# Altium PCB AIWAC_A33_LVDS07_20181114..PcbDoc (part 14 of 14)
Units mm, origin at the board's own origin, x right, y up, seen from the top; angles counter-clockwise.
Board outline 96.06 x 45 mm, 2 copper layers (Top Layer, Bottom Layer); 78 components, 59 nets, 22856 pads, 712 vias.
Unrouted connection lines stored in the file: 2.
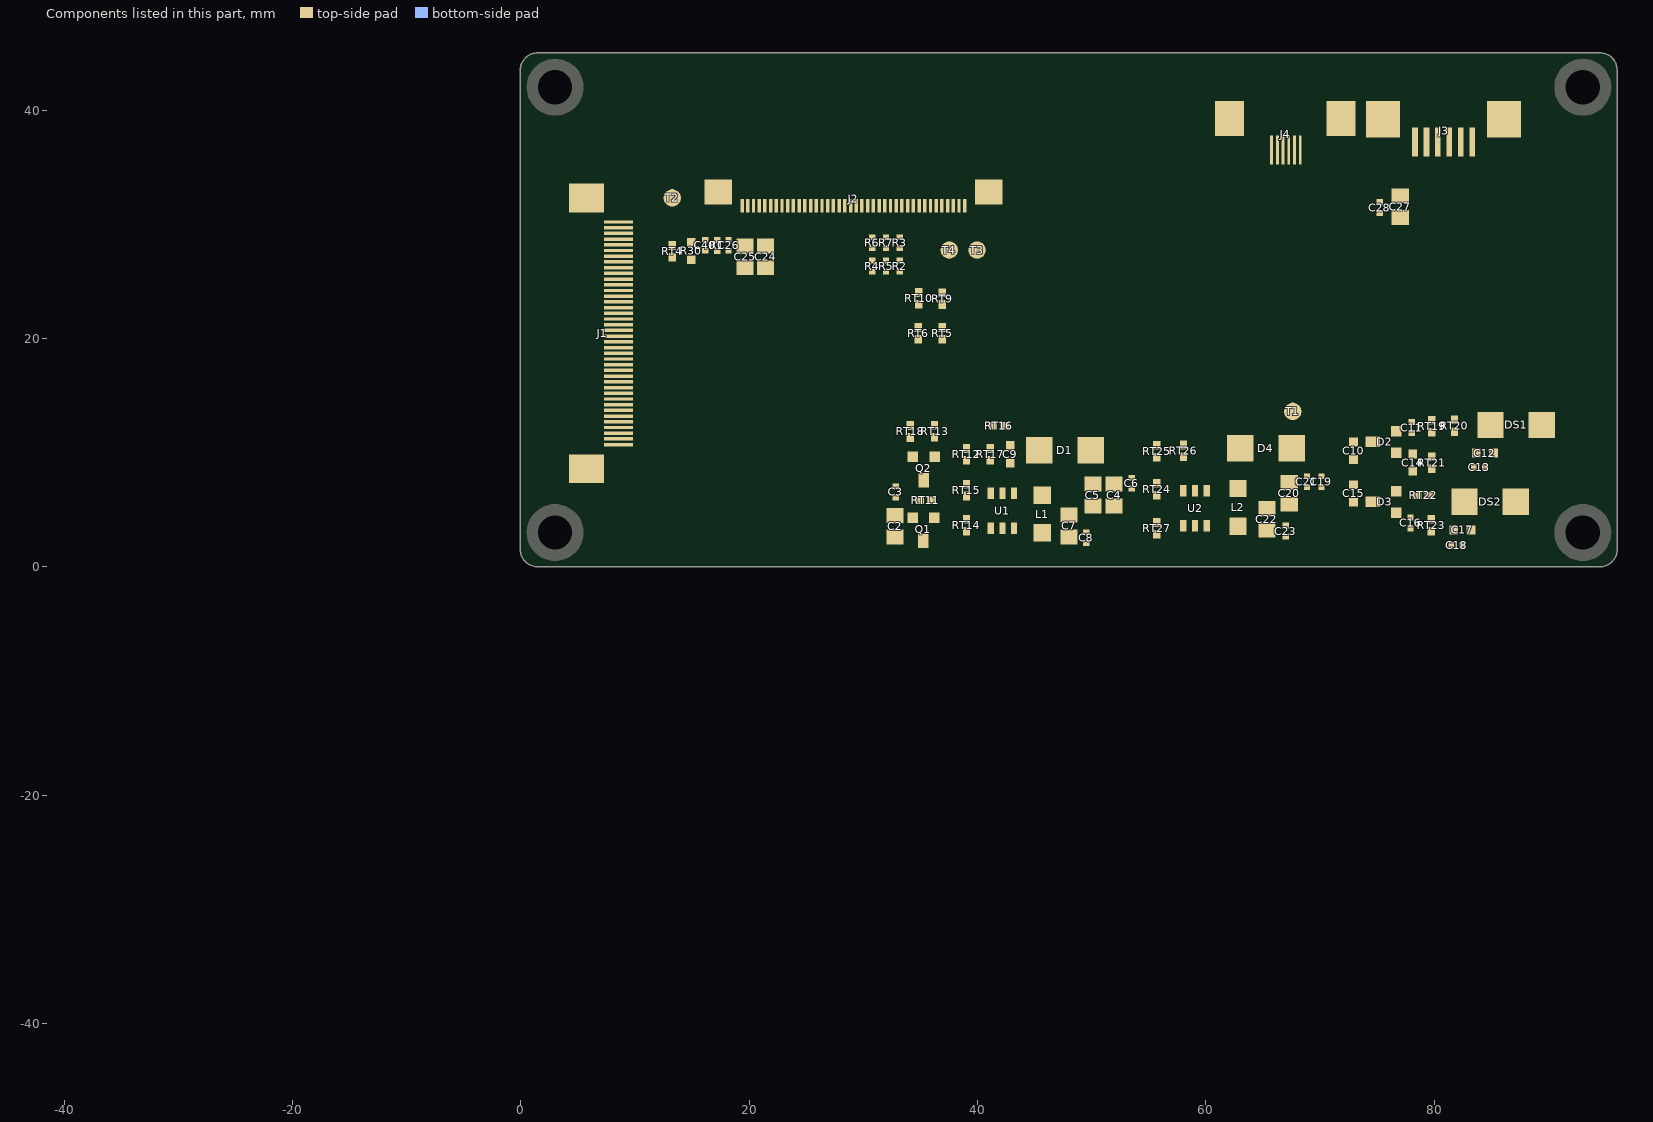
[diagram p14: the components of this part, seen from the top]

## Silkscreen, mask and mechanical layers (free items; w line width, h text height) (continued)
Mechanical 8:
  drawing of 9558 lines, arcs and shapes, not listed
  text "U5" at -39.045,-44.099 h0 r90
  text "U5" at -39.045,-44.099 h0 r90
  text "U5" at -39.045,-44.099 h0 r90
  text "C37" at -39.044,-44.099 h0
  text "C37" at -39.044,-44.099 h0
  text "C37" at -39.044,-44.099 h0
  text "R70" at -39.044,-44.104 h0 r90
  text "R70" at -39.044,-44.104 h0 r90
  text "R70" at -39.044,-44.104 h0 r90
  text "R71" at -39.043,-44.104 h0 r90
  text "R71" at -39.043,-44.104 h0 r90
  text "R71" at -39.043,-44.104 h0 r90
  text "C101" at -39.042,-44.095 h0
  text "C101" at -39.042,-44.095 h0
  text "C101" at -39.042,-44.095 h0
  text "R67" at -39.039,-44.095 h0
  text "R67" at -39.039,-44.095 h0
  text "R67" at -39.039,-44.095 h0
  text "R66" at -39.036,-44.095 h0
  text "R66" at -39.036,-44.095 h0
  text "R66" at -39.036,-44.095 h0
  text "C100" at -39.034,-44.098 h0 r90
  text "C100" at -39.034,-44.098 h0 r90
  text "C100" at -39.034,-44.098 h0 r90
  text "R120" at -39.033,-44.1 h0 r90
  text "R120" at -39.033,-44.1 h0 r90
  text "R120" at -39.033,-44.1 h0 r90
  text "C32" at -39.033,-44.104 h0
  text "C32" at -39.033,-44.104 h0
  text "C32" at -39.033,-44.104 h0
  text "C110" at -39.031,-44.105 h0
  text "C110" at -39.031,-44.105 h0
  text "C110" at -39.031,-44.105 h0
  text "C40" at -39.031,-44.098 h0 r90
  text "C40" at -39.031,-44.098 h0 r90
  text "C40" at -39.031,-44.098 h0 r90
  text "C36" at -39.03,-44.098 h0 r90
  text "C36" at -39.03,-44.098 h0 r90
  text "C36" at -39.03,-44.098 h0 r90
  text "J6" at -39.028,-44.097 h0
  text "J6" at -39.028,-44.097 h0
  text "J6" at -39.028,-44.097 h0
  text "R110" at -39.028,-44.098 h0 r90
  text "R110" at -39.028,-44.098 h0 r90
  text "R110" at -39.028,-44.098 h0 r90
  text "C35" at -39.027,-44.099 h0 r90
  text "C35" at -39.027,-44.099 h0 r90
  text "C35" at -39.027,-44.099 h0 r90
  text "C38" at -39.025,-44.1 h0
  text "C38" at -39.025,-44.1 h0
  text "C38" at -39.025,-44.1 h0
  text "C39" at -39.024,-44.099 h0 r90
  text "C39" at -39.024,-44.099 h0 r90
  text "C39" at -39.024,-44.099 h0 r90
  text "R111" at -39.022,-44.099 h0 r90
  text "R111" at -39.022,-44.099 h0 r90
  text "R111" at -39.022,-44.099 h0 r90
  text "J7" at -39.022,-44.097 h0
  text "J7" at -39.022,-44.097 h0
  text "J7" at -39.022,-44.097 h0
  text "J1" at -39.006,-44.099 h0
  text "J1" at -39.006,-44.099 h0
  text "J1" at -39.006,-44.099 h0
  text "J2" at -39.001,-44.1 h0
  text "J2" at -39.001,-44.1 h0
  text "J2" at -39.001,-44.1 h0
  text "R50" at -38.999,-44.106 h0 r90
  text "R50" at -38.999,-44.106 h0 r90
  text "R50" at -38.999,-44.106 h0 r90
  text "R39" at -38.997,-44.105 h0 r90
  text "R39" at -38.997,-44.105 h0 r90
  text "R39" at -38.997,-44.105 h0 r90
  text "C28" at -38.994,-44.105 h0 r90
  text "C28" at -38.994,-44.105 h0 r90
  text "C28" at -38.994,-44.105 h0 r90
  text "C24" at -38.993,-44.105 h0 r90
  text "C24" at -38.993,-44.105 h0 r90
  text "C24" at -38.993,-44.105 h0 r90
  text "C25" at -38.991,-44.105 h0 r90
  text "C25" at -38.991,-44.105 h0 r90
  text "C25" at -38.991,-44.105 h0 r90
  text "J11" at -38.988,-44.097 h0
  text "J11" at -38.988,-44.097 h0
  text "J11" at -38.988,-44.097 h0
  text "R104" at -38.986,-44.106 h0 r90
  text "R104" at -38.986,-44.106 h0 r90
  text "R104" at -38.986,-44.106 h0 r90
  text "D11" at -38.985,-44.1 h0
  text "D11" at -38.985,-44.1 h0
  text "D11" at -38.985,-44.1 h0
  text "R102" at -38.985,-44.105 h0 r90
  text "R102" at -38.985,-44.105 h0 r90
  text "R102" at -38.985,-44.105 h0 r90
  text "R113" at -38.985,-44.102 h0
  text "R113" at -38.985,-44.102 h0
  text "R113" at -38.985,-44.102 h0
  text "D12" at -38.982,-44.1 h0
  text "D12" at -38.982,-44.1 h0
  text "D12" at -38.982,-44.1 h0
  text "R112" at -38.982,-44.102 h0
  text "R112" at -38.982,-44.102 h0
  text "R112" at -38.982,-44.102 h0
  text "R101" at -38.979,-44.099 h0 r90
  text "R101" at -38.979,-44.099 h0 r90
  text "R101" at -38.979,-44.099 h0 r90
  text "C105" at -38.977,-44.1 h0
  text "C105" at -38.977,-44.1 h0
  text "C105" at -38.977,-44.1 h0
  text "C104" at -38.974,-44.101 h0
  text "C104" at -38.974,-44.101 h0
  text "C104" at -38.974,-44.101 h0
  text "C102" at -38.974,-44.102 h0
  text "C102" at -38.974,-44.102 h0
  text "C102" at -38.974,-44.102 h0
  text "C103" at -38.974,-44.106 h0
  text "C103" at -38.974,-44.106 h0
  text "C103" at -38.974,-44.106 h0
  text "J10" at -39.047,-44.111 h0 r90
  text "J10" at -39.047,-44.111 h0 r90
  text "J10" at -39.047,-44.111 h0 r90
  text "C44" at -39.044,-44.107 h0 r90
  text "C44" at -39.044,-44.107 h0 r90
  text "C44" at -39.044,-44.107 h0 r90
  text "C17" at -39.043,-44.123 h0 r90
  text "C17" at -39.043,-44.123 h0 r90
  text "C17" at -39.043,-44.123 h0 r90
  text "R29" at -39.043,-44.128 h0 r90
  text "R29" at -39.043,-44.128 h0 r90
  text "R29" at -39.043,-44.128 h0 r90
  text "D7" at -39.042,-44.115 h0 r90
  text "D7" at -39.042,-44.115 h0 r90
  text "D7" at -39.042,-44.115 h0 r90
  text "D6" at -39.042,-44.12 h0 r90
  text "D6" at -39.042,-44.12 h0 r90
  text "D6" at -39.042,-44.12 h0 r90
  text "C42" at -39.042,-44.107 h0 r90
  text "C42" at -39.042,-44.107 h0 r90
  text "C42" at -39.042,-44.107 h0 r90
  text "C13" at -39.042,-44.128 h0 r90
  text "C13" at -39.042,-44.128 h0 r90
  text "C13" at -39.042,-44.128 h0 r90
  text "R40" at -39.041,-44.123 h0 r90
  text "R40" at -39.041,-44.123 h0 r90
  text "R40" at -39.041,-44.123 h0 r90
  text "L3" at -39.04,-44.107 h0
  text "L3" at -39.04,-44.107 h0
  text "L3" at -39.04,-44.107 h0
  text "R43" at -39.04,-44.123 h0 r90
  text "R43" at -39.04,-44.123 h0 r90
  text "R43" at -39.04,-44.123 h0 r90
  text "C29" at -39.039,-44.122 h0
  text "C29" at -39.039,-44.122 h0
  text "C29" at -39.039,-44.122 h0
  text "R47" at -39.039,-44.123 h0 r90
  text "R47" at -39.039,-44.123 h0 r90
  text "R47" at -39.039,-44.123 h0 r90
  text "U2" at -39.037,-44.128 h0 r270
  text "U2" at -39.037,-44.128 h0 r270
  text "U2" at -39.037,-44.128 h0 r270
  text "C14" at -39.037,-44.123 h0 r90
  text "C14" at -39.037,-44.123 h0 r90
  text "C14" at -39.037,-44.123 h0 r90
  text "L4" at -39.037,-44.107 h0
  text "L4" at -39.037,-44.107 h0
  text "L4" at -39.037,-44.107 h0
  text "RT1" at -39.037,-44.115 h0 r90
  text "RT1" at -39.037,-44.115 h0 r90
  text "RT1" at -39.037,-44.115 h0 r90
  text "C18" at -39.036,-44.123 h0 r90
  text "C18" at -39.036,-44.123 h0 r90
  text "C18" at -39.036,-44.123 h0 r90
  text "C43" at -39.036,-44.109 h0
  text "C43" at -39.036,-44.109 h0
  text "C43" at -39.036,-44.109 h0
  text "R41" at -39.035,-44.123 h0 r90
  text "R41" at -39.035,-44.123 h0 r90
  text "R41" at -39.035,-44.123 h0 r90
  text "C50" at -39.035,-44.114 h0 r90
  text "C50" at -39.035,-44.114 h0 r90
  text "C50" at -39.035,-44.114 h0 r90
  text "R76" at -39.034,-44.114 h0 r90
  text "R92" at -39.034,-44.113 h0
  text "R76" at -39.034,-44.114 h0 r90
  text "R92" at -39.034,-44.113 h0
  text "R92" at -39.034,-44.113 h0
  text "R76" at -39.034,-44.114 h0 r90
  text "C23" at -39.034,-44.114 h0
  text "C23" at -39.034,-44.114 h0
  text "C23" at -39.034,-44.114 h0
  text "D5" at -39.032,-44.124 h0
  text "D5" at -39.032,-44.124 h0
  text "D5" at -39.032,-44.124 h0
  text "R83" at -39.032,-44.114 h0 r90
  text "R83" at -39.032,-44.114 h0 r90
  text "R83" at -39.032,-44.114 h0 r90
  text "C33" at -39.031,-44.107 h0
  text "C33" at -39.031,-44.107 h0
  text "C33" at -39.031,-44.107 h0
  text "R31" at -39.03,-44.126 h0 r90
  text "R44" at -39.03,-44.131 h0 r90
  text "R31" at -39.03,-44.126 h0 r90
  text "R44" at -39.03,-44.131 h0 r90
  text "R44" at -39.03,-44.131 h0 r90
  text "R31" at -39.03,-44.126 h0 r90
  text "R32" at -39.03,-44.129 h0 r90
  text "R32" at -39.03,-44.129 h0 r90
  text "R32" at -39.03,-44.129 h0 r90
  text "R48" at -39.03,-44.131 h0 r90
  text "R48" at -39.03,-44.131 h0 r90
  text "R48" at -39.03,-44.131 h0 r90
  text "R37" at -39.03,-44.126 h0 r90
  text "R37" at -39.03,-44.126 h0 r90
  text "R37" at -39.03,-44.126 h0 r90
  text "R38" at -39.029,-44.129 h0 r90
  text "R38" at -39.029,-44.129 h0 r90
  text "R38" at -39.029,-44.129 h0 r90
  text "D4" at -39.029,-44.124 h0
  text "D4" at -39.029,-44.124 h0
  text "D4" at -39.029,-44.124 h0
  text "D21" at -39.028,-44.11 h0
  text "D21" at -39.028,-44.11 h0
  text "D21" at -39.028,-44.11 h0
  text "R7" at -39.027,-44.125 h0
  text "R13" at -39.027,-44.124 h0
  text "R14" at -39.027,-44.125 h0
  text "R7" at -39.027,-44.125 h0
  text "R13" at -39.027,-44.124 h0
  text "R14" at -39.027,-44.125 h0
  text "R14" at -39.027,-44.125 h0
  text "R13" at -39.027,-44.124 h0
  text "R7" at -39.027,-44.125 h0
  text "R8" at -39.027,-44.126 h0
  text "R16" at -39.027,-44.127 h0
  text "R8" at -39.027,-44.126 h0
  text "R16" at -39.027,-44.127 h0
  text "R16" at -39.027,-44.127 h0
  text "R8" at -39.027,-44.126 h0
  text "D22" at -39.025,-44.11 h0
  text "D22" at -39.025,-44.11 h0
  text "D22" at -39.025,-44.11 h0
  text "D2" at -39.023,-44.124 h0
  text "D2" at -39.023,-44.124 h0
  text "D2" at -39.023,-44.124 h0
  text "R19" at -39.023,-44.127 h0
  text "R24" at -39.023,-44.126 h0
  text "R19" at -39.023,-44.127 h0
  text "R24" at -39.023,-44.126 h0
  text "R24" at -39.023,-44.126 h0
  text "R19" at -39.023,-44.127 h0
  text "R20" at -39.023,-44.128 h0
  text "R22" at -39.023,-44.127 h0
  text "R20" at -39.023,-44.128 h0
  text "R22" at -39.023,-44.127 h0
  text "R22" at -39.023,-44.127 h0
  text "R20" at -39.023,-44.128 h0
  text "R23" at -39.02,-44.128 h0
  text "R23" at -39.02,-44.128 h0
  text "R23" at -39.02,-44.128 h0
  text "R18" at -39.017,-44.129 h0
  text "R21" at -39.017,-44.129 h0
  text "R18" at -39.017,-44.129 h0
  text "R21" at -39.017,-44.129 h0
  text "R21" at -39.017,-44.129 h0
  text "R18" at -39.017,-44.129 h0
  text "R17" at -39.017,-44.13 h0
  text "R17" at -39.017,-44.13 h0
  text "R17" at -39.017,-44.13 h0
  text "R3" at -39.016,-44.131 h0
  text "R3" at -39.016,-44.131 h0
  text "R3" at -39.016,-44.131 h0
  text "R9" at -39.016,-44.13 h0
  text "R9" at -39.016,-44.13 h0
  text "R9" at -39.016,-44.13 h0
  text "D1" at -39.012,-44.11 h0 r90
  text "D1" at -39.012,-44.11 h0 r90
  text "D1" at -39.012,-44.11 h0 r90
  text "R10" at -39.011,-44.132 h0
  text "R10" at -39.011,-44.132 h0
  text "R10" at -39.011,-44.132 h0
  text "R55" at -39.005,-44.116 h0 r90
  text "R55" at -39.005,-44.116 h0 r90
  text "R55" at -39.005,-44.116 h0 r90
  text "R54" at -39.005,-44.113 h0 r90
  text "R56" at -39.005,-44.12 h0 r90
  text "R54" at -39.005,-44.113 h0 r90
  text "R56" at -39.005,-44.12 h0 r90
  text "R56" at -39.005,-44.12 h0 r90
  text "R54" at -39.005,-44.113 h0 r90
  text "R53" at -39.004,-44.122 h0 r90
  text "R53" at -39.004,-44.122 h0 r90
  text "R53" at -39.004,-44.122 h0 r90
  text "L2" at -39.002,-44.131 h0
  text "L2" at -39.002,-44.131 h0
  text "L2" at -39.002,-44.131 h0
  text "C31" at -39.001,-44.111 h0 r90
  text "C31" at -39.001,-44.111 h0 r90
  text "C31" at -39.001,-44.111 h0 r90
  text "C55" at -39,-44.128 h0 r90
  text "C55" at -39,-44.128 h0 r90
  text "C55" at -39,-44.128 h0 r90
  text "C30" at -39,-44.111 h0 r90
  text "C30" at -39,-44.111 h0 r90
  text "C30" at -39,-44.111 h0 r90
  text "C56" at -38.999,-44.128 h0 r90
  text "C56" at -38.999,-44.128 h0 r90
  text "C56" at -38.999,-44.128 h0 r90
  text "U3" at -38.999,-44.126 h0 r90
  text "U3" at -38.999,-44.126 h0 r90
  text "U3" at -38.999,-44.126 h0 r90
  text "R79" at -38.999,-44.128 h0 r90
  text "R79" at -38.999,-44.128 h0 r90
  text "R79" at -38.999,-44.128 h0 r90
  text "R52" at -38.999,-44.111 h0 r90
  text "R52" at -38.999,-44.111 h0 r90
  text "R52" at -38.999,-44.111 h0 r90
  text "R80" at -38.998,-44.128 h0 r90
  text "R80" at -38.998,-44.128 h0 r90
  text "R80" at -38.998,-44.128 h0 r90
  text "D3" at -38.997,-44.111 h0 r90
  text "D3" at -38.997,-44.111 h0 r90
  text "D3" at -38.997,-44.111 h0 r90
  text "C22" at -38.996,-44.111 h0 r90
  text "C22" at -38.996,-44.111 h0 r90
  text "C22" at -38.996,-44.111 h0 r90
  text "R58" at -38.994,-44.111 h0 r90
  text "R58" at -38.994,-44.111 h0 r90
  text "R58" at -38.994,-44.111 h0 r90
  text "R59" at -38.993,-44.111 h0 r90
  text "R59" at -38.993,-44.111 h0 r90
  text "R59" at -38.993,-44.111 h0 r90
  text "C27" at -38.992,-44.111 h0 r90
  text "C27" at -38.992,-44.111 h0 r90
  text "C27" at -38.992,-44.111 h0 r90
  text "C21" at -38.99,-44.111 h0 r90
  text "C21" at -38.99,-44.111 h0 r90
  text "C21" at -38.99,-44.111 h0 r90
  text "C26" at -38.986,-44.115 h0 r90
  text "R60" at -38.986,-44.119 h0 r90
  text "C26" at -38.986,-44.115 h0 r90
  text "R60" at -38.986,-44.119 h0 r90
  text "R60" at -38.986,-44.119 h0 r90
  text "C26" at -38.986,-44.115 h0 r90
  text "R57" at -38.986,-44.117 h0 r90
  text "R57" at -38.986,-44.117 h0 r90
  text "R57" at -38.986,-44.117 h0 r90
  text "R103" at -38.985,-44.108 h0 r90
  text "R103" at -38.985,-44.108 h0 r90
  text "R103" at -38.985,-44.108 h0 r90
  text "R61" at -38.985,-44.115 h0 r90
  text "R61" at -38.985,-44.115 h0 r90
  text "R61" at -38.985,-44.115 h0 r90
  text "R75" at -38.985,-44.128 h0 r90
  text "R75" at -38.985,-44.128 h0 r90
  text "R75" at -38.985,-44.128 h0 r90
  text "R63" at -38.984,-44.128 h0 r90
  text "R63" at -38.984,-44.128 h0 r90
  text "R63" at -38.984,-44.128 h0 r90
  text "R51" at -38.984,-44.115 h0
  text "R51" at -38.984,-44.115 h0
  text "R51" at -38.984,-44.115 h0
  text "C34" at -38.984,-44.116 h0 r90
  text "C34" at -38.984,-44.116 h0 r90
  text "C34" at -38.984,-44.116 h0 r90
  text "R62" at -38.984,-44.119 h0 r90
  text "R62" at -38.984,-44.119 h0 r90
  text "R62" at -38.984,-44.119 h0 r90
  text "R64" at -38.984,-44.128 h0 r90
  text "R64" at -38.984,-44.128 h0 r90
  text "R64" at -38.984,-44.128 h0 r90
  text "Y1" at -38.983,-44.116 h0
  text "Y1" at -38.983,-44.116 h0
  text "Y1" at -38.983,-44.116 h0
  text "U4" at -38.983,-44.119 h0 r90
  text "U4" at -38.983,-44.119 h0 r90
  text "U4" at -38.983,-44.119 h0 r90
  text "R30" at -38.983,-44.115 h0
  text "R30" at -38.983,-44.115 h0
  text "R30" at -38.983,-44.115 h0
  text "C45" at -38.982,-44.116 h0 r90
  text "C45" at -38.982,-44.116 h0 r90
  text "C45" at -38.982,-44.116 h0 r90
  text "R65" at -38.982,-44.119 h0 r90
  text "R65" at -38.982,-44.119 h0 r90
  text "R65" at -38.982,-44.119 h0 r90
  text "U10" at -38.98,-44.111 h0 r270
  text "U10" at -38.98,-44.111 h0 r270
  text "U10" at -38.98,-44.111 h0 r270
  text "L1" at -38.974,-44.109 h0 r90
  text "L1" at -38.974,-44.109 h0 r90
  text "L1" at -38.974,-44.109 h0 r90
  text "J8" at -39.048,-44.138 h0 r90
  text "J8" at -39.048,-44.138 h0 r90
  text "J8" at -39.048,-44.138 h0 r90
  text "S1" at -39.047,-44.134 h0 r90
  text "S1" at -39.047,-44.134 h0 r90
  text "S1" at -39.047,-44.134 h0 r90
  text "C41" at -39.047,-44.14 h0 r90
  text "C41" at -39.047,-44.14 h0 r90
  text "C41" at -39.047,-44.14 h0 r90
  text "R35" at -39.044,-44.135 h0 r90
  text "R35" at -39.044,-44.135 h0 r90
  text "R35" at -39.044,-44.135 h0 r90
  text "R49" at -39.043,-44.135 h0 r90
  text "R49" at -39.043,-44.135 h0 r90
  text "R49" at -39.043,-44.135 h0 r90
  text "C20" at -39.043,-44.132 h0 r90
  text "C20" at -39.043,-44.132 h0 r90
  text "C20" at -39.043,-44.132 h0 r90
  text "C11" at -39.042,-44.142 h0 r90
  text "C11" at -39.042,-44.142 h0 r90
  text "C11" at -39.042,-44.142 h0 r90
  text "R46" at -39.042,-44.134 h0
  text "R46" at -39.042,-44.134 h0
  text "R46" at -39.042,-44.134 h0
  text "C19" at -39.042,-44.132 h0 r90
  text "C19" at -39.042,-44.132 h0 r90
  text "C19" at -39.042,-44.132 h0 r90
  text "R25" at -39.041,-44.142 h0 r90
  text "R25" at -39.041,-44.142 h0 r90
  text "R25" at -39.041,-44.142 h0 r90
  text "R36" at -39.04,-44.142 h0 r90
  text "R36" at -39.04,-44.142 h0 r90
  text "R36" at -39.04,-44.142 h0 r90
  text "C16" at -39.038,-44.141 h0 r90
  text "C16" at -39.038,-44.141 h0 r90
  text "C16" at -39.038,-44.141 h0 r90
  text "C15" at -39.038,-44.137 h0 r90
  text "C15" at -39.038,-44.137 h0 r90
  text "C15" at -39.038,-44.137 h0 r90
  text "C12" at -39.037,-44.141 h0 r90
  text "C12" at -39.037,-44.141 h0 r90
  text "C12" at -39.037,-44.141 h0 r90
  text "R26" at -39.036,-44.141 h0 r90
  text "R26" at -39.036,-44.141 h0 r90
  text "R26" at -39.036,-44.141 h0 r90
  text "R28" at -39.034,-44.141 h0 r90
  text "R28" at -39.034,-44.141 h0 r90
  text "R28" at -39.034,-44.141 h0 r90
  text "R34" at -39.033,-44.141 h0 r90
  text "R34" at -39.033,-44.141 h0 r90
  text "R34" at -39.033,-44.141 h0 r90
  text "R42" at -39.032,-44.143 h0 r90
  text "R42" at -39.032,-44.143 h0 r90
  text "R42" at -39.032,-44.143 h0 r90
  text "R45" at -39.031,-44.143 h0 r90
  text "R45" at -39.031,-44.143 h0 r90
  text "R45" at -39.031,-44.143 h0 r90
  text "R27" at -39.031,-44.141 h0 r90
  text "R27" at -39.031,-44.141 h0 r90
  text "R27" at -39.031,-44.141 h0 r90
  text "R33" at -39.031,-44.143 h0 r90
  text "R33" at -39.031,-44.143 h0 r90
  text "R33" at -39.031,-44.143 h0 r90
  text "J4" at -39.029,-44.146 h0
  text "J4" at -39.029,-44.146 h0
  text "J4" at -39.029,-44.146 h0
  text "R6" at -39.029,-44.137 h0
  text "R6" at -39.029,-44.137 h0
  text "R6" at -39.029,-44.137 h0
  text "C7" at -39.029,-44.14 h0
  text "R15" at -39.029,-44.139 h0
  text "C7" at -39.029,-44.14 h0
  text "R15" at -39.029,-44.139 h0
  text "R15" at -39.029,-44.139 h0
  text "C7" at -39.029,-44.14 h0
  text "C8" at -39.028,-44.135 h0
  text "C8" at -39.028,-44.135 h0
  text "C8" at -39.028,-44.135 h0
  text "C4" at -39.028,-44.136 h0
  text "C4" at -39.028,-44.136 h0
  text "C4" at -39.028,-44.136 h0
  text "U1" at -39.025,-44.137 h0
  text "U1" at -39.025,-44.137 h0
  text "U1" at -39.025,-44.137 h0
  text "C3" at -39.024,-44.142 h0
  text "R5" at -39.024,-44.143 h0
  text "C3" at -39.024,-44.142 h0
  text "R5" at -39.024,-44.143 h0
  text "R5" at -39.024,-44.143 h0
  text "C3" at -39.024,-44.142 h0
  text "C5" at -39.02,-44.142 h0
  text "C5" at -39.02,-44.142 h0
  text "C5" at -39.02,-44.142 h0
  text "R11" at -39.02,-44.143 h0
  text "R11" at -39.02,-44.143 h0
  text "R11" at -39.02,-44.143 h0
  text "C1" at -39.018,-44.142 h0
  text "R1" at -39.018,-44.143 h0
  text "C1" at -39.018,-44.142 h0
  text "R1" at -39.018,-44.143 h0
  text "R1" at -39.018,-44.143 h0
  text "C1" at -39.018,-44.142 h0
  text "R69" at -39.017,-44.143 h0 r90
  text "R69" at -39.017,-44.143 h0 r90
  text "R69" at -39.017,-44.143 h0 r90
  text "J3" at -39.017,-44.146 h0
  text "J3" at -39.017,-44.146 h0
  text "J3" at -39.017,-44.146 h0
  text "R68" at -39.014,-44.143 h0 r90
  text "R68" at -39.014,-44.143 h0 r90
  text "R68" at -39.014,-44.143 h0 r90
  text "C9" at -39.012,-44.136 h0
  text "C9" at -39.012,-44.136 h0
  text "C9" at -39.012,-44.136 h0
  text "C2" at -39.012,-44.139 h0
  text "C2" at -39.012,-44.139 h0
  text "C2" at -39.012,-44.139 h0
  text "C6" at -39.012,-44.14 h0
  text "C6" at -39.012,-44.14 h0
  text "C6" at -39.012,-44.14 h0
  text "R2" at -39.012,-44.138 h0
  text "R2" at -39.012,-44.138 h0
  text "R2" at -39.012,-44.138 h0
  text "R12" at -39.011,-44.141 h0
  text "R12" at -39.011,-44.141 h0
  text "R12" at -39.011,-44.141 h0
  text "R4" at -39.011,-44.134 h0
  text "R4" at -39.011,-44.134 h0
  text "R4" at -39.011,-44.134 h0
  text "C10" at -39.011,-44.135 h0
  text "C10" at -39.011,-44.135 h0
  text "C10" at -39.011,-44.135 h0
  text "J9" at -39.002,-44.146 h0
  text "J9" at -39.002,-44.146 h0
  text "J9" at -39.002,-44.146 h0
  text "R82" at -39.001,-44.143 h0
  text "R84" at -39.001,-44.136 h0
  text "R87" at -39.001,-44.141 h0
  text "R88" at -39.001,-44.139 h0
  text "R89" at -39.001,-44.137 h0
  text "R90" at -39.001,-44.135 h0
  text "R91" at -39.001,-44.133 h0
  text "R82" at -39.001,-44.143 h0
  text "R84" at -39.001,-44.136 h0
  text "R87" at -39.001,-44.141 h0
  text "R88" at -39.001,-44.139 h0
  text "R89" at -39.001,-44.137 h0
  text "R90" at -39.001,-44.135 h0
  text "R91" at -39.001,-44.133 h0
  text "R91" at -39.001,-44.133 h0
  text "R90" at -39.001,-44.135 h0
  text "R89" at -39.001,-44.137 h0
  text "R88" at -39.001,-44.139 h0
  text "R87" at -39.001,-44.141 h0
  text "R84" at -39.001,-44.136 h0
  text "R82" at -39.001,-44.143 h0
  text "C57" at -38.995,-44.147 h0 r90
  text "C57" at -38.995,-44.147 h0 r90
  text "C57" at -38.995,-44.147 h0 r90
  text "C51" at -38.994,-44.147 h0 r90
  text "C51" at -38.994,-44.147 h0 r90
  text "C51" at -38.994,-44.147 h0 r90
  text "R77" at -38.991,-44.147 h0 r90
  text "R77" at -38.991,-44.147 h0 r90
  text "R77" at -38.991,-44.147 h0 r90
  text "C47" at -38.988,-44.148 h0 r90
  text "C47" at -38.988,-44.148 h0 r90
  text "C47" at -38.988,-44.148 h0 r90
  text "C48" at -38.987,-44.147 h0
  text "C48" at -38.987,-44.147 h0
  text "C48" at -38.987,-44.147 h0
  text "C49" at -38.987,-44.148 h0 r90
  text "C49" at -38.987,-44.148 h0 r90
  text "C49" at -38.987,-44.148 h0 r90
  text "U7" at -38.982,-44.136 h0
  text "U7" at -38.982,-44.136 h0
  text "U7" at -38.982,-44.136 h0
  text "R74" at -38.981,-44.132 h0 r90
  text "R74" at -38.981,-44.132 h0 r90
  text "R74" at -38.981,-44.132 h0 r90
  text "R72" at -38.979,-44.138 h0
  text "R73" at -38.979,-44.141 h0
  text "R72" at -38.979,-44.138 h0
  text "R73" at -38.979,-44.141 h0
  text "R73" at -38.979,-44.141 h0
  text "R72" at -38.979,-44.138 h0
  text "ANT1" at -38.978,-44.144 h0
  text "ANT1" at -38.978,-44.144 h0
  text "ANT1" at -38.978,-44.144 h0
Mechanical 9:
  lines w0: -39.05,-44.15 ccw(c-39.049,-44.15) -39.049,-44.151 ; -39.05,-44.15 ccw(c-39.049,-44.15) -39.049,-44.151 ; -39.05,-44.15 ccw(c-39.049,-44.15) -39.049,-44.151 ; -39.049,-44.151 -38.974,-44.151 ; -39.05,-44.15 -39.05,-44.096 ; -39.049,-44.151 -38.974,-44.151 ; -39.05,-44.15 -39.05,-44.096 ; -39.05,-44.15 -39.05,-44.096 ; -39.049,-44.151 -38.974,-44.151 ; -39.05,-44.097 -39.05,-44.095 ; -39.05,-44.097 -39.05,-44.095 ; -39.05,-44.097 -39.05,-44.095 ; -39.05,-44.095 -39.05,-44.094 ; -39.05,-44.095 -39.05,-44.094 ; -39.05,-44.095 -39.05,-44.094 ; -39.05,-44.094 cw(c-39.05,-44.094) -39.05,-44.093 ; -39.05,-44.094 cw(c-39.05,-44.094) -39.05,-44.093 ; -39.05,-44.094 cw(c-39.05,-44.094) -39.05,-44.093 ; -39.05,-44.093 -38.975,-44.093 ; -39.05,-44.093 -38.975,-44.093 ; -39.05,-44.093 -38.975,-44.093 ; -39.021,-44.127 -39.021,-44.114 ; -39.021,-44.127 -39.006,-44.127 ; -39.021,-44.127 -39.021,-44.114 ; -39.021,-44.127 -39.006,-44.127 ; -39.021,-44.127 -39.006,-44.127 ; -39.021,-44.127 -39.021,-44.114 ; -39.021,-44.114 -39.006,-44.114 ; -39.021,-44.114 -39.006,-44.114 ; -39.021,-44.114 -39.006,-44.114 ; -39.006,-44.127 -39.006,-44.114 ; -39.006,-44.127 -39.006,-44.114 ; -39.006,-44.127 -39.006,-44.114 ; -38.975,-44.151 ccw(c-38.975,-44.15) -38.973,-44.15 ; -38.975,-44.151 ccw(c-38.975,-44.15) -38.973,-44.15 ; -38.975,-44.151 ccw(c-38.975,-44.15) -38.973,-44.15 ; -38.975,-44.093 ccw(c-38.975,-44.093) -38.975,-44.093 ; -38.975,-44.093 ccw(c-38.975,-44.093) -38.975,-44.093 ; -38.975,-44.093 cw(c-38.975,-44.094) -38.973,-44.094 ; -38.975,-44.093 ccw(c-38.975,-44.093) -38.975,-44.093 ; -38.975,-44.093 ccw(c-38.975,-44.093) -38.975,-44.093 ; -38.975,-44.093 ccw(c-38.975,-44.093) -38.975,-44.093 ; -38.975,-44.093 ccw(c-38.975,-44.093) -38.975,-44.093 ; -38.975,-44.093 cw(c-38.975,-44.094) -38.973,-44.094 ; -38.975,-44.093 ccw(c-38.975,-44.093) -38.975,-44.093 ; -38.975,-44.093 ccw(c-38.975,-44.093) -38.975,-44.093 ; -38.975,-44.093 ccw(c-38.975,-44.093) -38.975,-44.093 ; -38.975,-44.093 ccw(c-38.975,-44.093) -38.975,-44.093 ; -38.975,-44.093 cw(c-38.975,-44.094) -38.973,-44.094 ; -38.975,-44.093 ccw(c-38.975,-44.093) -38.975,-44.093 ; -38.975,-44.093 ccw(c-38.975,-44.093) -38.975,-44.093 ; -38.973,-44.15 -38.973,-44.097 ; -38.973,-44.15 -38.973,-44.097 ; -38.973,-44.15 -38.973,-44.097 ; -38.973,-44.097 -38.973,-44.095 ; -38.973,-44.097 -38.973,-44.095 ; -38.973,-44.097 -38.973,-44.095 ; -38.973,-44.095 -38.973,-44.094 ; -38.973,-44.095 -38.973,-44.094 ; -38.973,-44.095 -38.973,-44.094
Mechanical 10:
  drawing of 201 lines, arcs and shapes, not listed
Mechanical 11:
  drawing of 498 lines, arcs and shapes, not listed
  text "M1" at -39.043,-44.145 h0
  text "M1" at -39.043,-44.145 h0
  text "M1" at -39.043,-44.145 h0
Mechanical 12:
  drawing of 372 lines, arcs and shapes, not listed
Mechanical 13:
  drawing of 1761 lines, arcs and shapes, not listed
Mechanical 14:
  drawing of 459 lines, arcs and shapes, not listed
Mechanical 15:
  drawing of 1848 lines, arcs and shapes, not listed
Mechanical 16:
  lines w0: -39.049,-44.11 ccw(c-39.049,-44.11) -39.048,-44.11 ; -39.049,-44.11 ccw(c-39.049,-44.11) -39.048,-44.11 ; -39.049,-44.11 ccw(c-39.049,-44.11) -39.048,-44.11 ; -39.048,-44.11 -39.048,-44.109 ; -39.049,-44.11 -39.049,-44.109 ; -39.048,-44.11 -39.048,-44.109 ; -39.049,-44.11 -39.049,-44.109 ; -39.049,-44.11 -39.049,-44.109 ; -39.048,-44.11 -39.048,-44.109 ; -39.048,-44.109 ccw(c-39.049,-44.109) -39.049,-44.109 ; -39.048,-44.109 ccw(c-39.049,-44.109) -39.049,-44.109 ; -39.048,-44.109 ccw(c-39.049,-44.109) -39.049,-44.109 ; -39.049,-44.105 ccw(c-39.049,-44.105) -39.048,-44.105 ; -39.049,-44.105 ccw(c-39.049,-44.105) -39.048,-44.105 ; -39.049,-44.105 ccw(c-39.049,-44.105) -39.048,-44.105 ; -39.048,-44.105 -39.048,-44.103 ; -39.049,-44.105 -39.049,-44.103 ; -39.048,-44.105 -39.048,-44.103 ; -39.049,-44.105 -39.049,-44.103 ; -39.049,-44.105 -39.049,-44.103 ; -39.048,-44.105 -39.048,-44.103 ; -39.048,-44.103 ccw(c-39.049,-44.103) -39.049,-44.103 ; -39.048,-44.103 ccw(c-39.049,-44.103) -39.049,-44.103 ; -39.048,-44.103 ccw(c-39.049,-44.103) -39.049,-44.103 ; -38.987,-44.094 ccw(c-38.987,-44.094) -38.987,-44.094 ; -38.987,-44.095 ccw(c-38.987,-44.095) -38.987,-44.095 ; -38.987,-44.094 ccw(c-38.987,-44.094) -38.987,-44.094 ; -38.987,-44.095 ccw(c-38.987,-44.095) -38.987,-44.095 ; -38.987,-44.095 ccw(c-38.987,-44.095) -38.987,-44.095 ; -38.987,-44.094 ccw(c-38.987,-44.094) -38.987,-44.094 ; -38.987,-44.095 -38.987,-44.094 ; -38.987,-44.095 -38.987,-44.094 ; -38.987,-44.095 -38.987,-44.094 ; -38.987,-44.095 -38.987,-44.094 ; -38.987,-44.095 -38.987,-44.094 ; -38.987,-44.095 -38.987,-44.094 ; -38.981,-44.094 ccw(c-38.981,-44.094) -38.981,-44.094 ; -38.981,-44.096 ccw(c-38.981,-44.096) -38.981,-44.096 ; -38.981,-44.094 ccw(c-38.981,-44.094) -38.981,-44.094 ; -38.981,-44.096 ccw(c-38.981,-44.096) -38.981,-44.096 ; -38.981,-44.096 ccw(c-38.981,-44.096) -38.981,-44.096 ; -38.981,-44.094 ccw(c-38.981,-44.094) -38.981,-44.094 ; -38.981,-44.096 -38.981,-44.094 ; -38.981,-44.096 -38.981,-44.094 ; -38.981,-44.096 -38.981,-44.094 ; -38.981,-44.096 -38.981,-44.094 ; -38.981,-44.096 -38.981,-44.094 ; -38.981,-44.096 -38.981,-44.094
  lines w0.001: -39.045,-44.133 cw(c-39.045,-44.133) -39.045,-44.132 ; -39.045,-44.133 ccw(c-39.045,-44.133) -39.045,-44.132 ; -39.045,-44.133 cw(c-39.045,-44.133) -39.045,-44.132 ; -39.045,-44.133 ccw(c-39.045,-44.133) -39.045,-44.132 ; -39.045,-44.133 ccw(c-39.045,-44.133) -39.045,-44.132 ; -39.045,-44.133 cw(c-39.045,-44.133) -39.045,-44.132 ; -39.045,-44.125 ccw(c-39.045,-44.125) -39.045,-44.126 ; -39.045,-44.126 ccw(c-39.045,-44.125) -39.045,-44.125 ; -39.045,-44.125 ccw(c-39.045,-44.125) -39.045,-44.126 ; -39.045,-44.126 ccw(c-39.045,-44.125) -39.045,-44.125 ; -39.045,-44.126 ccw(c-39.045,-44.125) -39.045,-44.125 ; -39.045,-44.125 ccw(c-39.045,-44.125) -39.045,-44.126
  lines w0.002: -39.048,-44.148 cw(c-39.047,-44.148) -39.047,-44.148 ; -39.048,-44.148 ccw(c-39.047,-44.148) -39.047,-44.148 ; -39.048,-44.148 cw(c-39.047,-44.148) -39.047,-44.148 ; -39.048,-44.148 ccw(c-39.047,-44.148) -39.047,-44.148 ; -39.048,-44.148 ccw(c-39.047,-44.148) -39.047,-44.148 ; -39.048,-44.148 cw(c-39.047,-44.148) -39.047,-44.148 ; -39.048,-44.096 cw(c-39.047,-44.096) -39.047,-44.096 ; -39.048,-44.096 ccw(c-39.047,-44.096) -39.047,-44.096 ; -39.048,-44.096 cw(c-39.047,-44.096) -39.047,-44.096 ; -39.048,-44.096 ccw(c-39.047,-44.096) -39.047,-44.096 ; -39.048,-44.096 ccw(c-39.047,-44.096) -39.047,-44.096 ; -39.048,-44.096 cw(c-39.047,-44.096) -39.047,-44.096 ; -38.977,-44.148 cw(c-38.976,-44.148) -38.976,-44.148 ; -38.977,-44.148 ccw(c-38.976,-44.148) -38.976,-44.148 ; -38.977,-44.148 cw(c-38.976,-44.148) -38.976,-44.148 ; -38.977,-44.148 ccw(c-38.976,-44.148) -38.976,-44.148 ; -38.977,-44.148 ccw(c-38.976,-44.148) -38.976,-44.148 ; -38.977,-44.148 cw(c-38.976,-44.148) -38.976,-44.148 ; -38.977,-44.096 cw(c-38.976,-44.096) -38.976,-44.096 ; -38.977,-44.096 ccw(c-38.976,-44.096) -38.976,-44.096 ; -38.977,-44.096 cw(c-38.976,-44.096) -38.976,-44.096 ; -38.977,-44.096 ccw(c-38.976,-44.096) -38.976,-44.096 ; -38.977,-44.096 ccw(c-38.976,-44.096) -38.976,-44.096 ; -38.977,-44.096 cw(c-38.976,-44.096) -38.976,-44.096

## Text inside footprints (layer, text, board x,y; h text height)
J2: Top Overlay "40" at 39.412,30.378 h0.76; Top Overlay "1" at 18.508,30.378 h0.76